# Altium PCB miniBackplane.PcbDoc (part 12 of 24)
Units mil, origin at the board's own origin, x right, y up, seen from the top; angles counter-clockwise.
Board outline 17285.63 x 8582.68 mil, 6 copper layers (Top Layer, Mid-Layer 1, GND, PWR, Mid-Layer 2, Bottom Layer), stack 62.362 mil thick; 519 components, 474 nets, 2434 pads, 1493 vias.
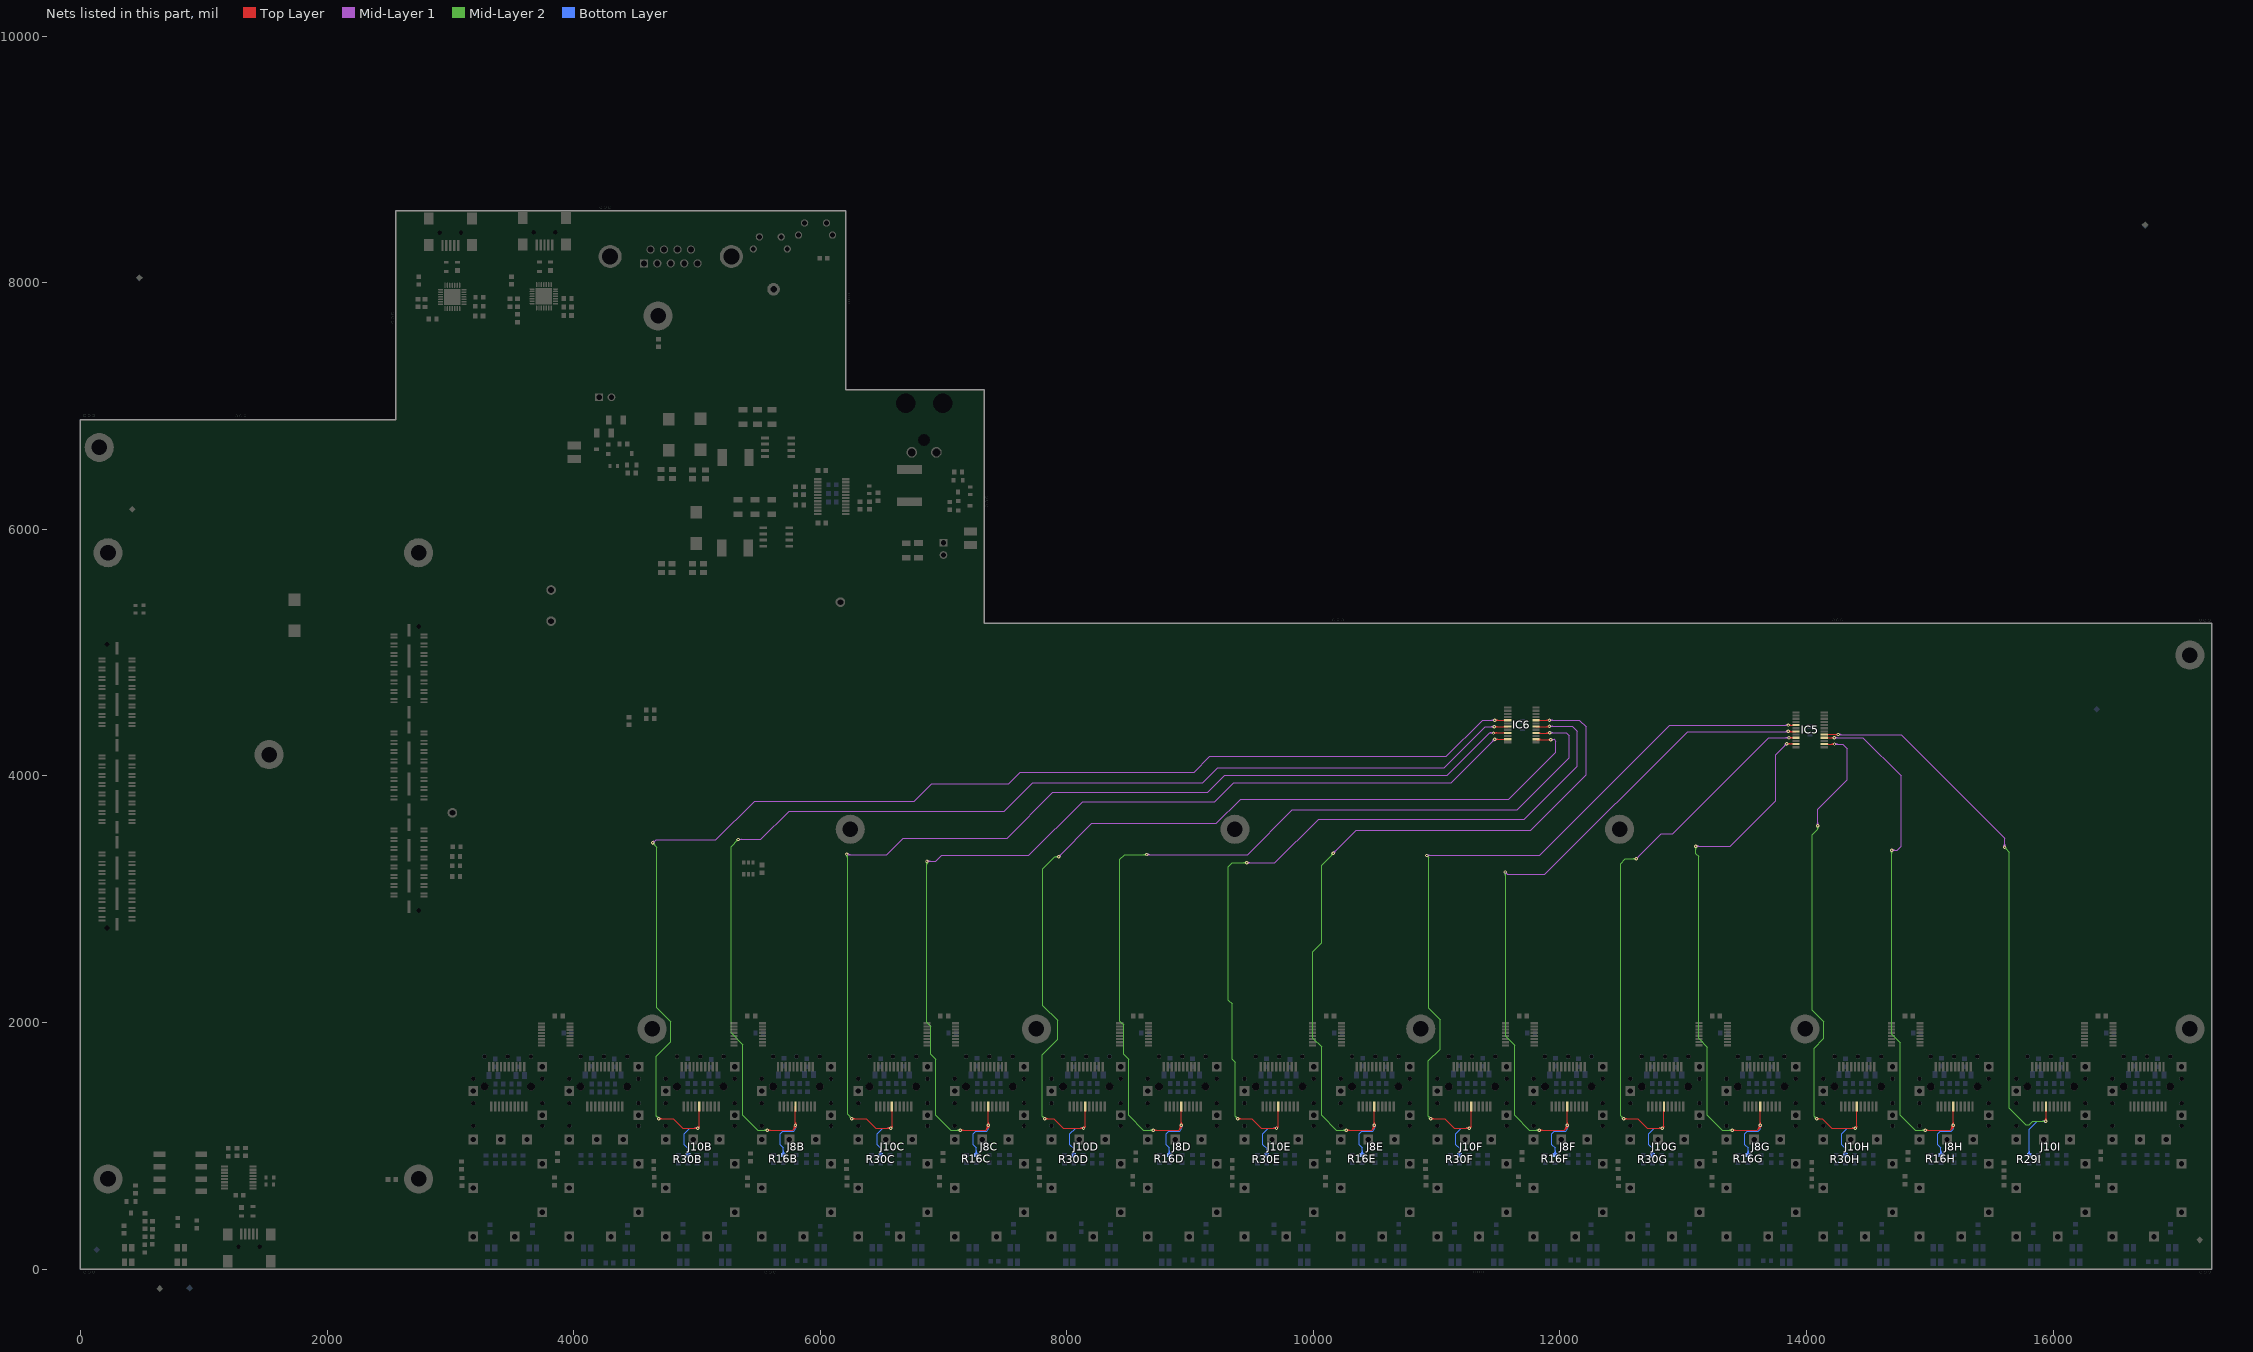
[diagram p16: the nets of this part, all layers, seen from the top]

## Via types
v1: diameter 27.56, hole 11.81, Top Layer to Bottom Layer, tented both sides, 1347 vias
v2: diameter 23.62, hole 11.81, Top Layer to Bottom Layer, tented both sides, 146 vias

## Nets (pads, with @x,y where several pads share a name; then routed paths per layer and width w, separated by ;. In a path a pad name is that pad's centre, name@x,y a point inside that pad or via, vN(x,y) a via of type N, cw(c..) or ccw(c..) an arc to the next point about the centre after c; other vN are vias at no path point) (continued)
I2C_DL_SC2: IC5.14 J10H.5 R30H.1 | length 5096.1
  Top Layer w7.87: v1(14081.75,1220.56) 14126.75,1220.56 14203.68,1143.62 v1(14395.69,1143.62) 14409.21,1157.14 ; IC5.14@14143.27,4258.39 v1(14227.36,4258.39) ; J10H.5@14409.21,1320.05 14409.21,1157.14 ; 14105.51,1220.56 ccw(c14105.51,1196.8) 14088.71,1213.6 cw(c14105.51,1196.8) 14105.51,1220.56 ; 14105.51,1220.56 cw(c14105.51,1244.32) 14088.71,1227.52 ccw(c14105.51,1244.32) 14105.51,1220.56 ; 14175.82,4258.39 ccw(c14175.82,4246.5) 14167.42,4254.91 cw(c14175.82,4246.5) 14175.82,4258.39 ; 14175.82,4258.39 cw(c14175.82,4270.27) 14167.42,4261.87 ccw(c14175.82,4270.27) 14175.82,4258.39 ; 14203.6,4258.39 ccw(c14203.6,4282.15) 14220.4,4265.35 cw(c14203.6,4282.15) 14203.6,4258.39 ; 14203.6,4258.39 cw(c14203.6,4234.62) 14220.4,4251.43 ccw(c14203.6,4234.62) 14203.6,4258.39 ; 14371.93,1143.62 ccw(c14371.93,1167.38) 14388.73,1150.58 cw(c14371.93,1167.38) 14371.93,1143.62 ; 14371.93,1143.62 cw(c14371.93,1119.86) 14388.73,1136.66 ccw(c14371.93,1119.86) 14371.93,1143.62 ; 14409.21,1157.14 ccw(c14418.86,1147.49) 14405.4,1145.24 cw(c14418.86,1147.49) 14409.21,1157.14 ; 14409.21,1157.14 cw(c14399.56,1166.79) 14397.31,1153.33 ccw(c14399.56,1166.79) 14409.21,1157.14 ; 14409.21,1274.6 ccw(c14394.96,1274.6) 14405.04,1284.68 cw(c14394.96,1274.6) 14409.21,1274.6 ; 14409.21,1274.6 cw(c14423.47,1274.6) 14413.39,1284.68 ccw(c14423.47,1274.6) 14409.21,1274.6
  Mid-Layer 1 w7.09: v1(14090.55,3594.49) 14090.55,3728.35 14330.71,3968.5 14330.71,4220.47 14292.8,4258.39 v1(14227.36,4258.39) ; 14090.55,3619.2 ccw(c14115.26,3619.2) 14097.79,3601.73 cw(c14115.26,3619.2) 14090.55,3619.2 ; 14090.55,3619.2 cw(c14065.84,3619.2) 14083.31,3601.73 ccw(c14065.84,3619.2) 14090.55,3619.2 ; 14252.07,4258.39 ccw(c14252.07,4233.67) 14234.6,4251.15 cw(c14252.07,4233.67) 14252.07,4258.39 ; 14252.07,4258.39 cw(c14252.07,4283.1) 14234.6,4265.62 ccw(c14252.07,4283.1) 14252.07,4258.39
  Mid-Layer 2 w7.09: v1(14081.75,1220.56) 14061.16,1241.15 14061.16,1789.54 14141.73,1870.11 14141.73,2003.94 14045.28,2100.39 14045.28,3521.65 14090.55,3566.93 v1(14090.55,3594.49) ; 14064.27,1238.03 ccw(c14081.75,1255.51) 14081.75,1230.8 cw(c14081.75,1255.51) 14064.27,1238.03 ; 14064.27,1238.03 cw(c14046.8,1220.56) 14071.51,1220.56 ccw(c14046.8,1220.56) 14064.27,1238.03 ; 14090.55,3569.78 ccw(c14065.84,3569.78) 14083.31,3587.25 cw(c14065.84,3569.78) 14090.55,3569.78 ; 14090.55,3569.78 cw(c14115.26,3569.78) 14097.79,3587.25 ccw(c14115.26,3569.78) 14090.55,3569.78
  Bottom Layer w7.87: R30H.1@14316.38,922.53 14316.38,977.94 14285.69,1008.62 14285.69,1098.62 14330.69,1143.62 v1(14395.69,1143.62) ; 14316.38,955.79 ccw(c14349.64,955.79) 14326.12,932.27 cw(c14349.64,955.79) 14316.38,955.79 ; 14316.38,955.79 cw(c14283.11,955.79) 14306.63,932.27 ccw(c14283.11,955.79) 14316.38,955.79 ; 14371.93,1143.62 ccw(c14371.93,1167.38) 14388.73,1150.58 cw(c14371.93,1167.38) 14371.93,1143.62 ; 14371.93,1143.62 cw(c14371.93,1119.86) 14388.73,1136.66 ccw(c14371.93,1119.86) 14371.93,1143.62
I2C_DL_SC3: IC5.16 J8H.5 R16H.1 | length 5673.7
  Top Layer w7.87: IC5.16@14143.27,4309.57 14143.78,4309.06 14226.38,4309.06 14226.09,4309.35 v1(14226.09,4310.25) ; v1(14961.75,1125.56) 15166.75,1125.56 ; 15176.46,1138.73 cw(c15213.4,1134.28) v1@15190.43,1163.55 ; v1@15181.47,1159.03 cw(c15167.88,1148.36) 15185.03,1146.3 ; J8H.5@15189.21,1320.05 v1(15189.21,1165.1) 15189.21,1148.02 ; 14985.51,1125.56 ccw(c14985.51,1101.8) 14968.71,1118.6 cw(c14985.51,1101.8) 14985.51,1125.56 ; 14985.51,1125.56 cw(c14985.51,1149.32) 14968.71,1132.52 ccw(c14985.51,1149.32) 14985.51,1125.56 ; 15166.75,1125.56 ccw(c15134.95,1157.36) 15179.47,1163.71 cw(c15134.95,1157.36) 15166.75,1125.56 ; 15166.75,1125.56 15189.21,1148.02 ; 15189.21,1148.02 ccw(c15179.32,1148.02) 15184.28,1156.59 cw(c15179.32,1148.02) 15189.21,1148.02 ; 15189.21,1148.02 cw(c15199.11,1148.02) 15194.15,1156.59 ccw(c15199.11,1148.02) 15189.21,1148.02 ; 15189.21,1188.86 ccw(c15212.97,1188.86) 15196.17,1172.06 cw(c15212.97,1188.86) 15189.21,1188.86 ; 15189.21,1188.86 cw(c15165.45,1188.86) 15182.25,1172.06 ccw(c15165.45,1188.86) 15189.21,1188.86 ; 15189.21,1274.6 ccw(c15174.96,1274.6) 15185.04,1284.68 cw(c15174.96,1274.6) 15189.21,1274.6 ; 15189.21,1274.6 cw(c15203.47,1274.6) 15193.39,1284.68 ccw(c15203.47,1274.6) 15189.21,1274.6 ; IC5.16@14167.42,4306.09 cw(c14174.58,4298.92) 14174.58,4309.06 ccw(c14174.58,4298.92) IC5.16@14167.42,4306.09 ; IC5.16@14167.42,4313.05 ccw(c14177.05,4322.68) 14177.05,4309.06 cw(c14177.05,4322.68) IC5.16@14167.42,4313.05 ; 14199.44,4309.06 ccw(c14199.44,4336.9) 14219.13,4317.21 cw(c14199.44,4336.9) 14199.44,4309.06 ; 14205.21,4309.06 cw(c14205.21,4289.37) 14219.13,4303.29 ccw(c14205.21,4289.37) 14205.21,4309.06 ; 15177.89,1136.7 ccw(c15154.44,1160.14) 15187.26,1164.82 cw(c15154.44,1160.14) 15177.89,1136.7 ; 15189.02,1147.83 ccw(c15173.94,1162.92) 15195.06,1165.94 cw(c15173.94,1162.92) 15189.02,1147.83
  Mid-Layer 1 w7.09: v1@14226.38,4309.57 14458.15,4309.57 14767.72,4000 14767.72,3429.13 14736.22,3397.64 v1(14690.71,3397.64) ; 14715.42,3397.64 ccw(c14715.42,3372.93) 14697.95,3390.4 cw(c14715.42,3372.93) 14715.42,3397.64 ; 14715.42,3397.64 cw(c14715.42,3422.35) 14697.95,3404.88 ccw(c14715.42,3422.35) 14715.42,3397.64 ; v1@14233.33,4303.01 cw(c14249.15,4287.19) 14249.15,4309.57 ccw(c14249.15,4287.19) v1@14233.33,4303.01 ; v1@14233.33,4317.49 ccw(c14252.45,4336.61) 14252.45,4309.57 cw(c14252.45,4336.61) v1@14233.33,4317.49
  Mid-Layer 2 w7.09: v1(14690.71,3397.64) 14690.71,1905.68 14761.75,1834.65 14761.75,1245.56 14881.75,1125.56 v1(14961.75,1125.56) ; 14690.71,3372.93 ccw(c14666,3372.93) 14683.47,3390.4 cw(c14666,3372.93) 14690.71,3372.93 ; 14690.71,3372.93 cw(c14715.42,3372.93) 14697.95,3390.4 ccw(c14715.42,3372.93) 14690.71,3372.93 ; 14937.04,1125.56 ccw(c14937.04,1150.27) 14954.51,1132.8 cw(c14937.04,1150.27) 14937.04,1125.56 ; 14937.04,1125.56 cw(c14937.04,1100.85) 14954.51,1118.32 ccw(c14937.04,1100.85) 14937.04,1125.56
  Bottom Layer w7.87: R16H.1@15090.69,925.12 15090.69,983.62 15065.69,1008.62 15065.69,1098.62 15085.69,1118.62 15175.69,1118.62 15189.21,1132.14 v1(15189.21,1165.1) ; 15090.69,958.38 ccw(c15123.96,958.38) 15100.44,934.86 cw(c15123.96,958.38) 15090.69,958.38 ; 15090.69,958.38 cw(c15057.43,958.38) 15080.95,934.86 ccw(c15057.43,958.38) 15090.69,958.38 ; 15189.21,1141.34 ccw(c15165.45,1141.34) 15182.25,1158.14 cw(c15165.45,1141.34) 15189.21,1141.34 ; 15189.21,1141.34 cw(c15212.97,1141.34) 15196.17,1158.14 ccw(c15212.97,1141.34) 15189.21,1141.34
I2C_DL_SC4: IC5.9 J10G.5 R30G.1 | length 5610.4
  Top Layer w7.87: v1(12516.75,1220.56) 12631.75,1220.56 12708.68,1143.62 v1(12830.69,1143.62) 12844.21,1157.14 ; J10G.5@12844.21,1320.05 12844.21,1157.14 ; v1(13858.27,4310.04) IC5.9@13914.45,4310.04 ; 12540.51,1220.56 ccw(c12540.51,1196.8) 12523.71,1213.6 cw(c12540.51,1196.8) 12540.51,1220.56 ; 12540.51,1220.56 cw(c12540.51,1244.32) 12523.71,1227.52 ccw(c12540.51,1244.32) 12540.51,1220.56 ; 12806.93,1143.62 ccw(c12806.93,1167.38) 12823.73,1150.58 cw(c12806.93,1167.38) 12806.93,1143.62 ; 12806.93,1143.62 cw(c12806.93,1119.86) 12823.73,1136.66 ccw(c12806.93,1119.86) 12806.93,1143.62 ; 12844.21,1157.14 ccw(c12853.86,1147.49) 12840.4,1145.24 cw(c12853.86,1147.49) 12844.21,1157.14 ; 12844.21,1157.14 cw(c12834.56,1166.79) 12832.31,1153.33 ccw(c12834.56,1166.79) 12844.21,1157.14 ; 12844.21,1274.6 ccw(c12829.96,1274.6) 12840.04,1284.68 cw(c12829.96,1274.6) 12844.21,1274.6 ; 12844.21,1274.6 cw(c12858.47,1274.6) 12848.39,1284.68 ccw(c12858.47,1274.6) 12844.21,1274.6 ; 13882.03,4310.04 ccw(c13882.03,4286.28) 13865.23,4303.08 cw(c13882.03,4286.28) 13882.03,4310.04 ; 13882.03,4310.04 cw(c13882.03,4333.8) 13865.23,4317 ccw(c13882.03,4333.8) 13882.03,4310.04 ; 13881.23,4310.04 cw(c13881.23,4296.55) 13890.77,4306.09 ccw(c13881.23,4296.55) 13881.23,4310.04 ; 13883.51,4310.04 ccw(c13883.51,4320.31) 13890.77,4313.05 cw(c13883.51,4320.31) 13883.51,4310.04
  Mid-Layer 1 w7.09: v1(12618.11,3326.77) 12822.83,3531.5 12913.39,3531.5 13692.91,4311.02 v1@13852.36,4311.02 ; 12635.58,3344.25 ccw(c12653.06,3326.77) 12628.35,3326.77 cw(c12653.06,3326.77) 12635.58,3344.25 ; 12635.58,3344.25 cw(c12618.11,3361.72) 12618.11,3337.01 ccw(c12618.11,3361.72) 12635.58,3344.25 ; 13831.18,4311.02 cw(c13831.18,4282.95) 13851.03,4302.8 ccw(c13831.18,4282.95) 13831.18,4311.02 ; 13835.93,4311.02 ccw(c13835.93,4332.38) 13851.03,4317.28 cw(c13835.93,4332.38) 13835.93,4311.02
  Mid-Layer 2 w7.09: v1(12516.75,1220.56) 12492.13,1245.18 12492.13,3287.4 12531.5,3326.77 v1(12618.11,3326.77) ; 12499.27,1238.03 ccw(c12516.75,1255.51) 12516.75,1230.8 cw(c12516.75,1255.51) 12499.27,1238.03 ; 12499.27,1238.03 cw(c12481.8,1220.56) 12506.51,1220.56 ccw(c12481.8,1220.56) 12499.27,1238.03 ; 12593.4,3326.77 ccw(c12593.4,3351.48) 12610.87,3334.01 cw(c12593.4,3351.48) 12593.4,3326.77 ; 12593.4,3326.77 cw(c12593.4,3302.06) 12610.87,3319.53 ccw(c12593.4,3302.06) 12593.4,3326.77
  Bottom Layer w7.87: R30G.1@12751.38,922.53 12751.38,977.94 12720.69,1008.62 12720.69,1098.62 12765.69,1143.62 v1(12830.69,1143.62) ; 12751.38,955.79 ccw(c12784.64,955.79) 12761.12,932.27 cw(c12784.64,955.79) 12751.38,955.79 ; 12751.38,955.79 cw(c12718.11,955.79) 12741.63,932.27 ccw(c12718.11,955.79) 12751.38,955.79 ; 12806.93,1143.62 ccw(c12806.93,1167.38) 12823.73,1150.58 cw(c12806.93,1167.38) 12806.93,1143.62 ; 12806.93,1143.62 cw(c12806.93,1119.86) 12823.73,1136.66 ccw(c12806.93,1119.86) 12806.93,1143.62
I2C_DL_SC5: IC5.11 J8G.5 R16G.1 | length 5656.9
  Top Layer w7.87: v1(13396.75,1125.56) 13601.75,1125.56 ; 13611.46,1138.73 cw(c13648.4,1134.28) v1@13625.43,1163.55 ; v1@13616.47,1159.03 cw(c13602.88,1148.36) 13620.03,1146.3 ; J8G.5@13624.21,1320.05 v1(13624.21,1165.1) 13624.21,1148.02 ; v1(13838.58,4259.84) IC5.11@13905.51,4259.84 ; 13420.51,1125.56 ccw(c13420.51,1101.8) 13403.71,1118.6 cw(c13420.51,1101.8) 13420.51,1125.56 ; 13420.51,1125.56 cw(c13420.51,1149.32) 13403.71,1132.52 ccw(c13420.51,1149.32) 13420.51,1125.56 ; 13601.75,1125.56 ccw(c13569.95,1157.36) 13614.47,1163.71 cw(c13569.95,1157.36) 13601.75,1125.56 ; 13601.75,1125.56 13624.21,1148.02 ; 13624.21,1148.02 ccw(c13614.32,1148.02) 13619.28,1156.59 cw(c13614.32,1148.02) 13624.21,1148.02 ; 13624.21,1148.02 cw(c13634.11,1148.02) 13629.15,1156.59 ccw(c13634.11,1148.02) 13624.21,1148.02 ; 13624.21,1188.86 ccw(c13647.97,1188.86) 13631.17,1172.06 cw(c13647.97,1188.86) 13624.21,1188.86 ; 13624.21,1188.86 cw(c13600.45,1188.86) 13617.25,1172.06 ccw(c13600.45,1188.86) 13624.21,1188.86 ; 13624.21,1274.6 ccw(c13609.96,1274.6) 13620.04,1284.68 cw(c13609.96,1274.6) 13624.21,1274.6 ; 13624.21,1274.6 cw(c13638.47,1274.6) 13628.39,1284.68 ccw(c13638.47,1274.6) 13624.21,1274.6 ; 13862.34,4259.84 ccw(c13862.34,4236.08) 13845.54,4252.88 cw(c13862.34,4236.08) 13862.34,4259.84 ; 13862.34,4259.84 cw(c13862.34,4283.6) 13845.54,4266.8 ccw(c13862.34,4283.6) 13862.34,4259.84 ; 13612.89,1136.7 ccw(c13589.44,1160.14) 13622.26,1164.82 cw(c13589.44,1160.14) 13612.89,1136.7 ; 13624.02,1147.83 ccw(c13608.94,1162.92) 13630.06,1165.94 cw(c13608.94,1162.92) 13624.02,1147.83 ; 13878.85,4259.84 cw(c13878.85,4242.99) 13890.77,4254.91 ccw(c13878.85,4242.99) 13878.85,4259.84
  Mid-Layer 1 w7.09: v1@13100.71,3429.13 13381.89,3429.13 13751.97,3799.21 13751.97,4173.23 v1(13838.58,4259.84) ; 13127.07,3429.13 ccw(c13127.07,3404.42) 13109.6,3421.9 cw(c13127.07,3404.42) 13127.07,3429.13 ; 13127.07,3429.13 cw(c13127.07,3453.85) 13109.6,3436.37 ccw(c13127.07,3453.85) 13127.07,3429.13 ; 13821.11,4242.37 ccw(c13803.63,4259.84) 13828.35,4259.84 cw(c13803.63,4259.84) 13821.11,4242.37 ; 13821.11,4242.37 cw(c13838.58,4224.89) 13838.58,4249.61 ccw(c13838.58,4224.89) 13821.11,4242.37
  Mid-Layer 2 w7.09: v1(13102.36,3429.13) 13102.36,3370.08 13125.71,3346.73 13125.71,1870.25 13196.75,1799.21 13196.75,1245.56 13316.75,1125.56 v1(13396.75,1125.56) ; 13102.36,3404.42 ccw(c13077.65,3404.42) 13095.12,3421.9 cw(c13077.65,3404.42) 13102.36,3404.42 ; 13102.36,3404.42 cw(c13127.07,3404.42) 13109.6,3421.9 ccw(c13127.07,3404.42) 13102.36,3404.42 ; 13372.04,1125.56 ccw(c13372.04,1150.27) 13389.51,1132.8 cw(c13372.04,1150.27) 13372.04,1125.56 ; 13372.04,1125.56 cw(c13372.04,1100.85) 13389.51,1118.32 ccw(c13372.04,1100.85) 13372.04,1125.56
  Bottom Layer w7.87: R16G.1@13525.69,925.12 13525.69,983.62 13500.69,1008.62 13500.69,1098.62 13520.69,1118.62 13610.69,1118.62 13624.21,1132.14 v1(13624.21,1165.1) ; 13525.69,958.38 ccw(c13558.96,958.38) 13535.44,934.86 cw(c13558.96,958.38) 13525.69,958.38 ; 13525.69,958.38 cw(c13492.43,958.38) 13515.95,934.86 ccw(c13492.43,958.38) 13525.69,958.38 ; 13624.21,1141.34 ccw(c13600.45,1141.34) 13617.25,1158.14 cw(c13600.45,1141.34) 13624.21,1141.34 ; 13624.21,1141.34 cw(c13647.97,1141.34) 13631.17,1158.14 ccw(c13647.97,1141.34) 13624.21,1141.34
I2C_DL_SC6: IC5.5 J10F.5 R30F.1 | length 7356.2
  Top Layer w7.87: v1(10951.75,1220.56) 11066.75,1220.56 11143.68,1143.62 v1(11265.69,1143.62) 11279.21,1157.14 ; J10F.5@11279.21,1320.05 11279.21,1157.14 ; v1(13852.05,4412.62) 13852.05,4409.76 13852.36,4409.45 IC5.5@13912.44,4409.45 ; 10975.51,1220.56 ccw(c10975.51,1196.8) 10958.71,1213.6 cw(c10975.51,1196.8) 10975.51,1220.56 ; 10975.51,1220.56 cw(c10975.51,1244.32) 10958.71,1227.52 ccw(c10975.51,1244.32) 10975.51,1220.56 ; 11241.93,1143.62 ccw(c11241.93,1167.38) 11258.73,1150.58 cw(c11241.93,1167.38) 11241.93,1143.62 ; 11241.93,1143.62 cw(c11241.93,1119.86) 11258.73,1136.66 ccw(c11241.93,1119.86) 11241.93,1143.62 ; 11279.21,1157.14 ccw(c11288.86,1147.49) 11275.4,1145.24 cw(c11288.86,1147.49) 11279.21,1157.14 ; 11279.21,1157.14 cw(c11269.56,1166.79) 11267.31,1153.33 ccw(c11269.56,1166.79) 11279.21,1157.14 ; 11279.21,1274.6 ccw(c11264.96,1274.6) 11275.04,1284.68 cw(c11264.96,1274.6) 11279.21,1274.6 ; 11279.21,1274.6 cw(c11293.47,1274.6) 11283.39,1284.68 ccw(c11293.47,1274.6) 11279.21,1274.6 ; v1@13859.01,4405.66 cw(c13868.17,4396.5) 13868.17,4409.45 ccw(c13868.17,4396.5) v1@13859.01,4405.66 ; v1@13859.01,4419.58 ccw(c13883.46,4444.03) 13883.46,4409.45 cw(c13883.46,4444.03) v1@13859.01,4419.58 ; 13876.38,4409.45 ccw(c13876.38,4429.8) 13890.77,4415.41 cw(c13876.38,4429.8) 13876.38,4409.45
  Mid-Layer 1 w7.09: v1(10921.26,3354.33) 11834.65,3354.33 12889.76,4409.45 13852.36,4409.45 13852.05,4409.76 v1(13852.05,4412.62) ; 10945.97,3354.33 ccw(c10945.97,3329.62) 10928.5,3347.09 cw(c10945.97,3329.62) 10945.97,3354.33 ; 10945.97,3354.33 cw(c10945.97,3379.04) 10928.5,3361.57 ccw(c10945.97,3379.04) 10945.97,3354.33 ; 13819.69,4409.45 ccw(c13819.69,4444.98) 13844.82,4419.85 cw(c13819.69,4444.98) 13819.69,4409.45 ; 13834.99,4409.45 cw(c13834.99,4395.55) 13844.82,4405.38 ccw(c13834.99,4395.55) 13834.99,4409.45 ; 13836.8,4409.45 ccw(c13836.8,4427.87) 13849.83,4414.84 cw(c13836.8,4427.87) 13836.8,4409.45
  Mid-Layer 2 w7.09: v1(10921.26,3354.33) 10935.71,3339.88 ; v1(10951.75,1220.56) 10931.75,1240.56 10931.75,1687.68 11027.56,1783.5 11027.56,2023.62 10935.71,2115.47 10935.71,3339.88 ; 10934.27,1238.03 ccw(c10951.75,1255.51) 10951.75,1230.8 cw(c10951.75,1255.51) 10934.27,1238.03 ; 10934.27,1238.03 cw(c10916.8,1220.56) 10941.51,1220.56 ccw(c10916.8,1220.56) 10934.27,1238.03 ; 10935.71,3339.88 ccw(c10924.91,3329.08) 10922.72,3344.2 cw(c10924.91,3329.08) 10935.71,3339.88 ; 10935.71,3339.88 cw(c10946.51,3350.68) 10931.39,3352.87 ccw(c10946.51,3350.68) 10935.71,3339.88
  Bottom Layer w7.87: R30F.1@11186.38,922.53 11186.38,977.94 11155.69,1008.62 11155.69,1098.62 11200.69,1143.62 v1(11265.69,1143.62) ; 11186.38,955.79 ccw(c11219.64,955.79) 11196.12,932.27 cw(c11219.64,955.79) 11186.38,955.79 ; 11186.38,955.79 cw(c11153.11,955.79) 11176.63,932.27 ccw(c11153.11,955.79) 11186.38,955.79 ; 11241.93,1143.62 ccw(c11241.93,1167.38) 11258.73,1150.58 cw(c11241.93,1167.38) 11241.93,1143.62 ; 11241.93,1143.62 cw(c11241.93,1119.86) 11258.73,1136.66 ccw(c11241.93,1119.86) 11241.93,1143.62
I2C_DL_SC7: IC5.7 J8F.5 R16F.1 | length 6989.6
  Top Layer w7.87: v1(11831.75,1125.56) 12036.75,1125.56 ; 12046.46,1138.73 cw(c12083.4,1134.28) v1@12060.43,1163.55 ; v1@12051.47,1159.03 cw(c12037.88,1148.36) 12055.03,1146.3 ; J8F.5@12059.21,1320.05 v1(12059.21,1165.1) 12059.21,1148.02 ; v1(13852.05,4361.43) 13852.05,4358.58 13852.36,4358.27 IC5.7@13912.44,4358.27 ; 11855.51,1125.56 ccw(c11855.51,1101.8) 11838.71,1118.6 cw(c11855.51,1101.8) 11855.51,1125.56 ; 11855.51,1125.56 cw(c11855.51,1149.32) 11838.71,1132.52 ccw(c11855.51,1149.32) 11855.51,1125.56 ; 12036.75,1125.56 ccw(c12004.95,1157.36) 12049.47,1163.71 cw(c12004.95,1157.36) 12036.75,1125.56 ; 12036.75,1125.56 12059.21,1148.02 ; 12059.21,1148.02 ccw(c12049.32,1148.02) 12054.28,1156.59 cw(c12049.32,1148.02) 12059.21,1148.02 ; 12059.21,1148.02 cw(c12069.11,1148.02) 12064.15,1156.59 ccw(c12069.11,1148.02) 12059.21,1148.02 ; 12059.21,1188.86 ccw(c12082.97,1188.86) 12066.17,1172.06 cw(c12082.97,1188.86) 12059.21,1188.86 ; 12059.21,1188.86 cw(c12035.45,1188.86) 12052.25,1172.06 ccw(c12035.45,1188.86) 12059.21,1188.86 ; 12059.21,1274.6 ccw(c12044.96,1274.6) 12055.04,1284.68 cw(c12044.96,1274.6) 12059.21,1274.6 ; 12059.21,1274.6 cw(c12073.47,1274.6) 12063.39,1284.68 ccw(c12073.47,1274.6) 12059.21,1274.6 ; 12047.89,1136.7 ccw(c12024.44,1160.14) 12057.26,1164.82 cw(c12024.44,1160.14) 12047.89,1136.7 ; 12059.02,1147.83 ccw(c12043.94,1162.92) 12065.06,1165.94 cw(c12043.94,1162.92) 12059.02,1147.83 ; v1@13859.01,4354.47 cw(c13868.17,4345.31) 13868.17,4358.27 ccw(c13868.17,4345.31) v1@13859.01,4354.47 ; v1@13859.01,4368.39 ccw(c13883.46,4392.84) 13883.46,4358.27 cw(c13883.46,4392.84) v1@13859.01,4368.39 ; 13876.38,4358.27 ccw(c13876.38,4378.62) 13890.77,4364.23 cw(c13876.38,4378.62) 13876.38,4358.27
  Mid-Layer 1 w7.09: v1(11555.12,3220.47) 11574.8,3200.79 11877.95,3200.79 13035.43,4358.27 13852.36,4358.27 13852.05,4358.58 v1(13852.05,4361.43) ; 11572.59,3203 ccw(c11555.12,3185.52) 11555.12,3210.24 cw(c11555.12,3185.52) 11572.59,3203 ; 11572.59,3203 cw(c11590.07,3220.47) 11565.35,3220.47 ccw(c11590.07,3220.47) 11572.59,3203 ; 13819.7,4358.27 ccw(c13819.7,4393.79) 13844.82,4368.67 cw(c13819.7,4393.79) 13819.7,4358.27 ; 13834.98,4358.27 cw(c13834.98,4344.36) 13844.82,4354.2 ccw(c13834.98,4344.36) 13834.98,4358.27 ; 13836.81,4358.27 ccw(c13836.81,4376.68) 13849.83,4363.66 cw(c13836.81,4376.68) 13836.81,4358.27
  Mid-Layer 2 w7.09: v1@11560.71,3220.47 11560.71,1888.11 11631.75,1817.07 11631.75,1245.56 11751.75,1125.56 v1(11831.75,1125.56) ; 11807.04,1125.56 ccw(c11807.04,1150.27) 11824.51,1132.8 cw(c11807.04,1150.27) 11807.04,1125.56 ; 11807.04,1125.56 cw(c11807.04,1100.85) 11824.51,1118.32 ccw(c11807.04,1100.85) 11807.04,1125.56 ; v1@11547.88,3213.23 cw(c11516.91,3182.26) 11560.71,3182.26 ccw(c11516.91,3182.26) v1@11547.88,3213.23 ; v1@11552.89,3218.25 cw(c11534.02,3199.37) 11560.71,3199.37 ccw(c11534.02,3199.37) v1@11552.89,3218.25
  Bottom Layer w7.87: R16F.1@11960.69,925.12 11960.69,983.62 11935.69,1008.62 11935.69,1098.62 11955.69,1118.62 12045.69,1118.62 12059.21,1132.14 v1(12059.21,1165.1) ; 11960.69,958.38 ccw(c11993.96,958.38) 11970.44,934.86 cw(c11993.96,958.38) 11960.69,958.38 ; 11960.69,958.38 cw(c11927.43,958.38) 11950.95,934.86 ccw(c11927.43,958.38) 11960.69,958.38 ; 12059.21,1141.34 ccw(c12035.45,1141.34) 12052.25,1158.14 cw(c12035.45,1141.34) 12059.21,1141.34 ; 12059.21,1141.34 cw(c12082.97,1141.34) 12066.17,1158.14 ccw(c12082.97,1141.34) 12059.21,1141.34
I2C_DL_SC8: IC6.18 J10E.5 R30E.1 | length 7567.5
  Top Layer w7.87: v1(9387.18,1220.56) 9502.18,1220.56 9579.12,1143.62 v1(9701.13,1143.62) 9714.65,1157.14 ; J10E.5@9714.65,1320.05 9714.65,1157.14 ; IC6.18@11805.75,4400.12 11806.26,4399.61 v1@11913.39,4399.61 ; 9410.94,1220.56 ccw(c9410.94,1196.8) 9394.14,1213.6 cw(c9410.94,1196.8) 9410.94,1220.56 ; 9410.94,1220.56 cw(c9410.94,1244.32) 9394.14,1227.52 ccw(c9410.94,1244.32) 9410.94,1220.56 ; 9677.36,1143.62 ccw(c9677.36,1167.38) 9694.17,1150.58 cw(c9677.36,1167.38) 9677.36,1143.62 ; 9677.36,1143.62 cw(c9677.36,1119.86) 9694.17,1136.66 ccw(c9677.36,1119.86) 9677.36,1143.62 ; 9714.65,1157.14 ccw(c9724.3,1147.49) 9710.83,1145.24 cw(c9724.3,1147.49) 9714.65,1157.14 ; 9714.65,1157.14 cw(c9704.99,1166.79) 9702.75,1153.33 ccw(c9704.99,1166.79) 9714.65,1157.14 ; 9714.65,1274.6 ccw(c9700.39,1274.6) 9710.47,1284.68 cw(c9700.39,1274.6) 9714.65,1274.6 ; 9714.65,1274.6 cw(c9728.9,1274.6) 9718.82,1284.68 ccw(c9728.9,1274.6) 9714.65,1274.6 ; IC6.18@11829.9,4396.64 cw(c11837.06,4389.47) 11837.06,4399.61 ccw(c11837.06,4389.47) IC6.18@11829.9,4396.64 ; IC6.18@11829.9,4403.6 ccw(c11839.53,4413.23) 11839.53,4399.61 cw(c11839.53,4413.23) IC6.18@11829.9,4403.6 ; 11886.84,4399.61 ccw(c11886.84,4430.09) 11908.39,4408.53 cw(c11886.84,4430.09) 11886.84,4399.61 ; 11896.34,4399.61 cw(c11896.34,4382.57) 11908.39,4394.62 ccw(c11896.34,4382.57) 11896.34,4399.61